# Altium PCB HYDRA_V2.1_POWER.PcbDoc (part 2 of 2)
Units mm, origin at the board's own origin, x right, y up, seen from the top; angles counter-clockwise.
Board outline 50 x 45 mm, 4 copper layers (Top Layer, PWR, GND, Bottom Layer), stack 0.603 mm thick; 102 components, 56 nets, 431 pads, 128 vias.
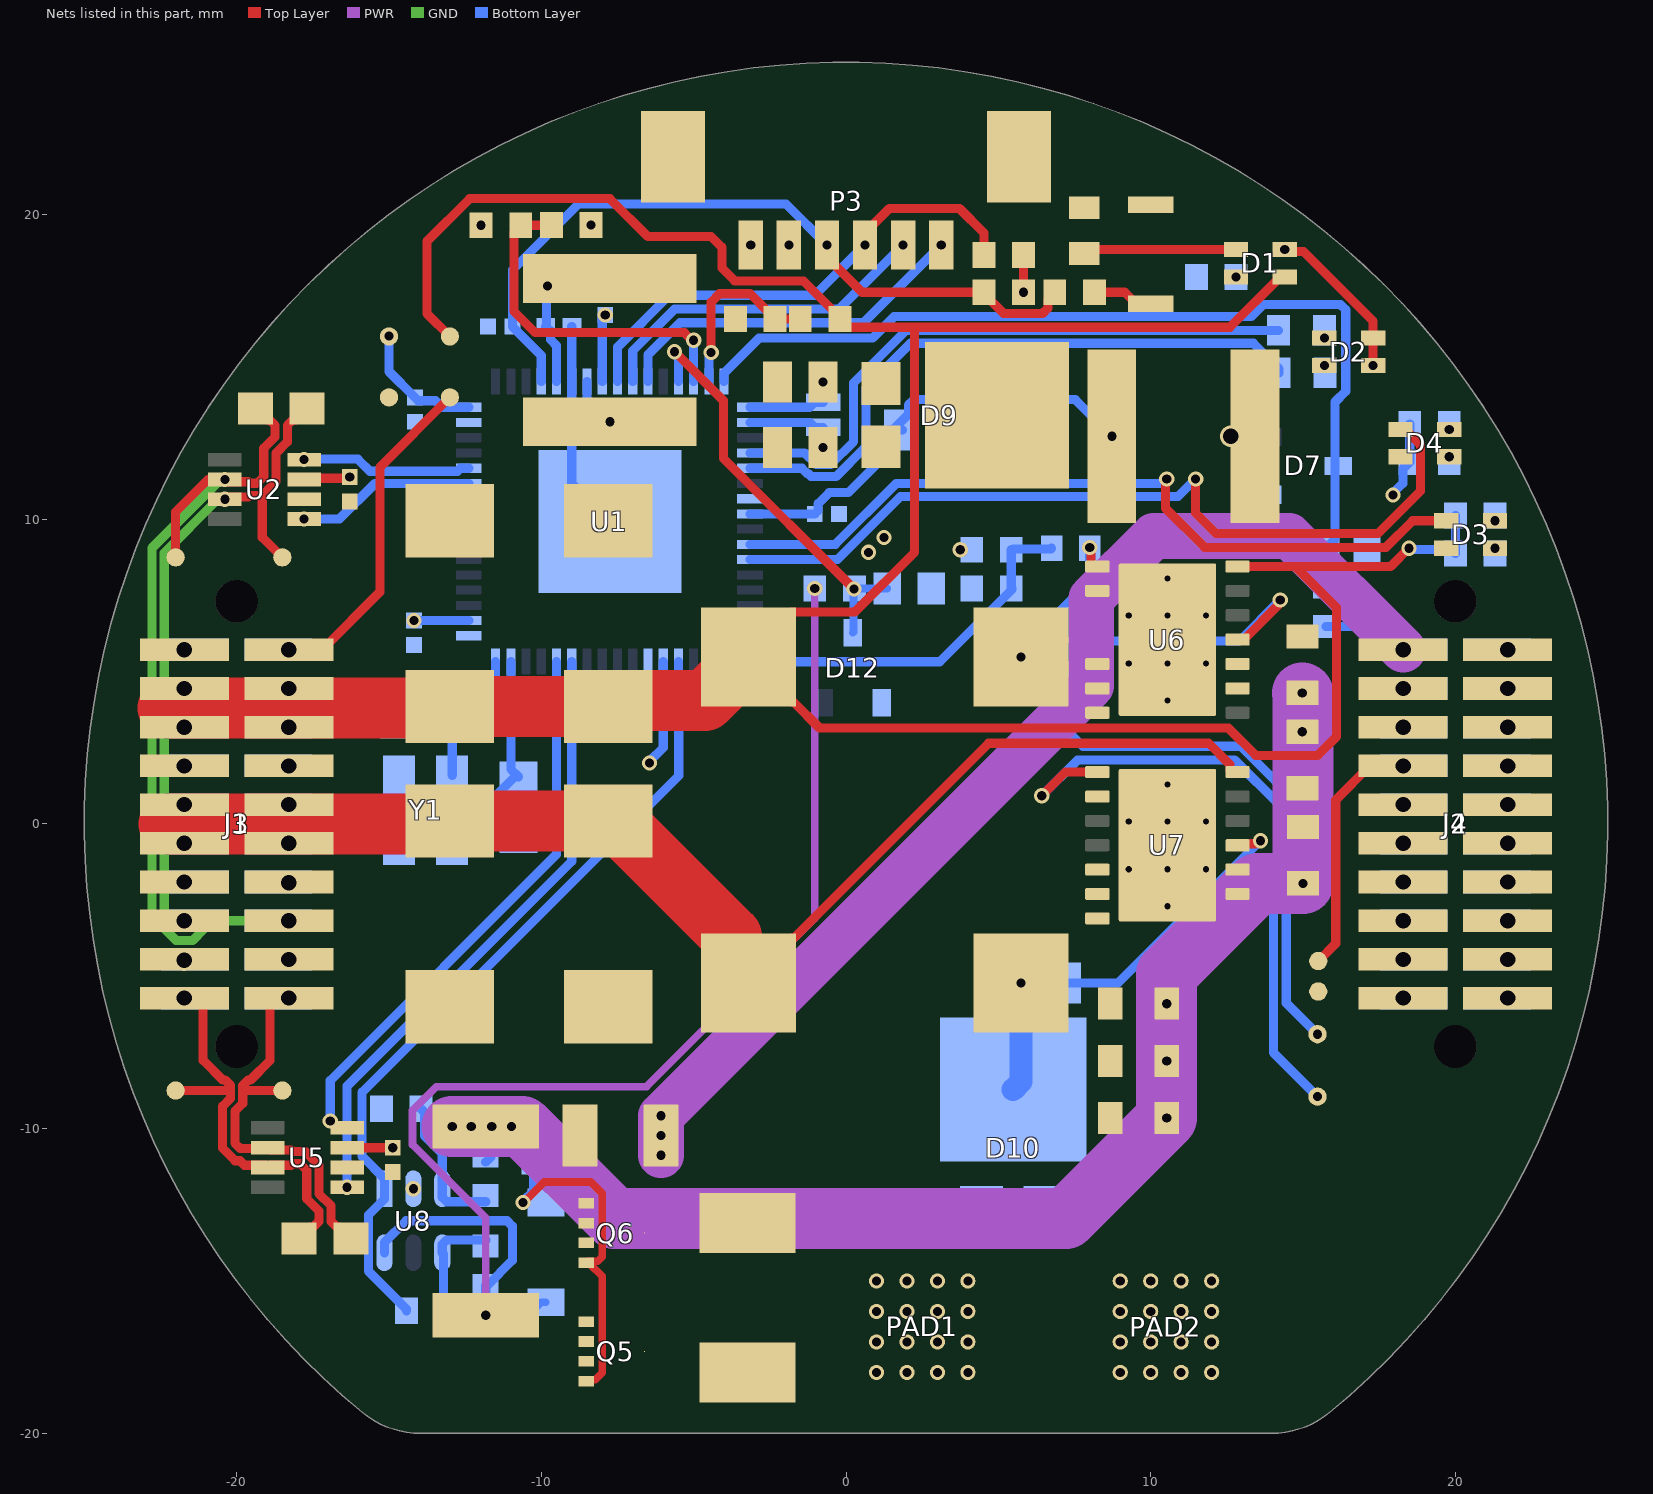
[diagram p4: the nets of this part, all layers, seen from the top]

## Part data (continued)
R2 R7: library part CMP-2000-00213-2, "Chip Resistor, 120 Ohm, +/- 1%, 0.1 W, -55 to 155 degC, 0603 (1608 Metric), RoHS, Tape and Reel", Case Code (Imperial)=0603, Case Code (Metric)=1608, Manufacturer=Panasonic, Max Operating Temperature=155degC, Max Power Dissipation=100mW, Min Operating Temperature=-55degC, Package Description="2-Pin Surface Mount Device, Body 1.6 x 0.85 mm", Package Quantity=1, Resistance=120Ohm, Temperature Coefficient=100ppm/degreesC, Tolerance=1%, Voltage Rating=75V, Case/Package=0603, Composition=ThickFilm, Contact Plating=Tin, Datasheet URL=https://industrial.panasonic.com/cdbs/www-data/pdf/RDA0000/AOA0000C283.pdf, Datasheet Version=42095.0, Depth=0.8mm, Height=0.022inch, Lead Free=LeadFree, Length=1.6mm, Manufacturer URL=http://www.panasonic.com/, Military Standard=Not, Mount=SurfaceMount, Number of Pins=2, Number of Terminations=2, Package Reference=0603, Package URL=http://www.st.com/st-web-ui/static/active/en/resource/technical/document/datasheet/CD00001320.pdf, Packaging=TapeandReel, Power Rating=100mW, Radiation Hardening=No, REACH SVHC=NoSVHC, RoHSCompliant=true, Termination=SMD/SMT, Voltage Rating (DC)=75V, Width=0.031inch
R3 R5 R10: library part CMP-2000-03446-2, "RES Thick Film, 51Ω, 1%, 0.1W, 100ppm/°C, 0603", Case Code (Imperial)=0603, Case Code (Metric)=1608, Max Operating Temperature=155°C, Max Power Dissipation=100mW, Min Operating Temperature=-55°C, Package Quantity=10, Resistance=51R, Temperature Coefficient=100ppm/°C, Tolerance=1%, Voltage Rating=75V, Case/Package=0603, Composition="Thick Film", Contact Plating=Tin, Depth=0.85mm, Features="Automotive AEC-Q200", Height=0.45mm, Lead Free="Lead Free", Length=1.55mm, Military Standard=Not, Number of Pins=2, Number of Terminations=2, Packaging="Tape and Reel", Power Rating=100mW, Radiation Hardening=No, Termination=SMD/SMT, Voltage Rating (DC)=75V, Weight=7.1E-05oz, Width=0.85mm, Working Voltage=75V
R4 R8 R18 R19 R23 R24: library part CMP-2000-00435-2, "Chip Resistor, 330 Ohm, +/- 1%, 0.1 W, -55 to 155 degC, 0603 (1608 Metric), RoHS, Tape and Reel", Current Rating="500 mA", Max Operating Temperature="85 degC", Min Operating Temperature="-25 degC", Package Quantity=1500, Voltage Rating="10 V", ComponentLink1Description="Manufacturer URL", ComponentLink1URL=http://www.panasonic.com/, ComponentLink2Description=Datasheet, ComponentLink2URL=http://industrial.panasonic.com/cdbs/www-data/pdf/RDA0000/AOA0000C86.pdf, Contact Finish=Gold, Contact Material=Copper, Contact Plating=Gold, DatasheetVersion=Apr-15, Gender=Male, Height="1.45 mm", Lead Pitch="1.1 mm", Length="13.7 mm", Mating Cycles=10000, Mount="Surface Mount", PackageDescription="2-Pin Surface Mount Device, Body 1.6 x 0.85 mm", PackageReference=0603, Packaging="Tape and Reel", Pins=8, REACH SVHC="No SVHC", RoHSCompliant=true, Width="1.45 mm"
R25: library part CMP-2000-03183-1, Manufacturer="Vishay Dale", Part Number=CRCW06032K70JNEA
R28: library part CMP-009-00183-1, "Actually https://www.digikey.ca/en/products/detail/bourns-inc/CRE2512-FZ-R008E-3/4900057"
R31: library part CMP-2000-00317-1, Manufacturer=Panasonic, Part Number=ERJ-3EKF2001V
R32 R35: library part CMP-1012-00849-3, "RES SMD 1M OHM 1% 1/10W 0603", Case Code (Imperial)=0603, Case Code (Metric)=1608, Max Operating Temperature=155°C, Max Power Dissipation=100mW, Min Operating Temperature=-55°C, Package Quantity=1, Resistance=1MR, Resistance Tolerance=1%, Resistor Type="Thick Film", Temperature Coefficient=100ppm/°C, Voltage Rating=75V, Case/Package=0603, Construction=Rectangular, Contact Plating=Tin, Depth=0.8mm, Features="Automotive AEC-Q200", Height=0.022inch, Lead Free="Lead Free", Length=1.6mm, Military Standard=Not, Mount="Surface Mount", Number of Pins=2, Number of Terminations=2, Packaging="Tape and Reel", Power Rating=100mW, Radiation Hardening=No, REACH SVHC="No SVHC", RoHS Compliant=Yes, Series=ERJ, Size Code=0603, Termination=SMD/SMT, Tolerance=1%, Voltage Rating (DC)=75V, Width=0.8mm
R36: library part CMP-2000-00180-1, Manufacturer=Panasonic, Part Number=ERJ-3EKF1001V
SW1: library part CMP-10040-000029-1, "SWITCH TACTILE SPST-NO 0.02A 15V", Current Rating=5A, Flammability Rating="UL94 V-0", Insulation Color=Black, Max Operating Temperature=85°C, Min Operating Temperature=-40°C, Operating Force=240gf, Actuator Type=Standard, Connector Type=USB, Contact Plating=Gold, Gender=Receptacle, Illumination Type=Non-Illuminated, Mechanical Life=500000Cycles, Mount="Surface Mount", Number of Contacts=24, Number of Ports=1, Packaging="Tape and Reel", Switch Function=Off-Mom, Switch Travel=0.13mm, Termination=Solder, Throw Configuration=SPST
TP1 TP2 TP3 TP4 TP5 TP6 TP7 TP8 TP11 TP12 TP13 TP15: library part CMP-00028-00002-2, "0.6mm round", Pins=1
U1: library part CMP-016-00010-6, "Rudimentary symbol and footprint for the SAM E51 microcontroller"
U2 U5: library part CMP-04872-000178-1, "IC TRANSCEIVER 1/1 SOT23-8", Case/Package=SOT-23-8, Max Operating Temperature=125°C, Min Operating Temperature=-40°C, Data Rate=1Mbps, Lead Free="Lead Free", Mount="Surface Mount", Packaging="Tape and Reel", RoHS Compliant=Yes
U6: library part CMP-0069-01082-3, "SIMPLE SWITCHER® High Efficiency 5A Step-Down Voltage Regulator, 14-pin LLP, Pb-Free", Manufacturer="Texas Instruments", PackageTopMarking=NS*UZXYTT*S0003DB, PowerWise=N, ComponentLink1Description="Datasheet URL", ComponentLink1URL=http://www.ti.com/general/docs/lit/getliterature.tsp?genericPartNumber=LM2678&fileType=pdf, CompType=Switcher, PackageDescription="LLP, Plastic, Dual, 6 x 5 x 1mm Body, 14 Lead, 0.8mm Pitch, No Pullback", PackageReference=NHM0014A, PinCount=14, RoHS=Y
U7: library part CMP-0069-01078-3, "SIMPLE SWITCHER® High Efficiency 5A Step-Down Voltage Regulator, 14-pin LLP, Pb-Free", Manufacturer="Texas Instruments", PackageTopMarking=NS*UZXYTT*S0003CB, PowerWise=N, ComponentLink1Description="Datasheet URL", ComponentLink1URL=http://www.ti.com/general/docs/lit/getliterature.tsp?genericPartNumber=LM2678&fileType=pdf, CompType=Switcher, PackageDescription="LLP, Plastic, Dual, 6 x 5 x 1mm Body, 14 Lead, 0.8mm Pitch, No Pullback", PackageReference=NHM0014A, PinCount=14, RoHS=Y
U8: library part CMP-04896-000098-1, "40V, RAIL-TO-RAIL INPUT, PUSH-PU"
Y1: library part CMP-27762-011708-1, "Crystal 48MHz ±20ppm 18pF SMD-4 3.2mm x 2.5mm", Case/Package=CSMD, ESR (Equivalent Series Resistance)=35R, Frequency=48MHz, Frequency Stability=50ppm, Frequency Tolerance=20ppm, Load Capacitance=18pF, Max Operating Temperature=70°C, Min Operating Temperature=-20°C, Operating Frequency="48 MHz", Package Quantity=1000, Resistor Type=Ceramic, Depth=2.5mm, Height=0.031inch, Lead Free="Lead Free", Length=3.2mm, Mount="Surface Mount", Number of Pins=4, Packaging="Tape and Reel", Radiation Hardening=No, REACH SVHC="No SVHC", RoHS Compliant=Yes, Series=ABM8, Series Resistance=35R, Termination=SMD/SMT, Tolerance=20ppm, Width=0.098inch
Y2: library part CMP-40224-000006-1, "CRYSTAL 32.7680KHZ 12.5PF SMD", Frequency=32.768kHz, Load Capacitance=12.5pF, Manufacturer="ECS International", Package=ECX-1210, Temperature="-40°C to +85°C", Temperature Range High=+85°C, Temperature Range Low=-40°C, Tolerance=20ppm, Automotive=No, Category=Crys, ComponentLink2Description=Datasheet, ComponentLink2URL=https://ecsxtal.com/store/pdf/ECX-1210.pdf, Device Class L1="Passive Components", Device Class L2="Crystals / Oscillators", Device Class L3=Crystals, Digikey Description="CRYSTAL 32.7680KHZ 12.5PF SMD", Esr=90kΩ, Height=0.5mm, Lead Free=Yes, Manufacturer Part Number=ECS-.327-12.5-1210-TR, Octopart=https://octopart.com/ecs-.327-12.5-1210-tr-ecs+international-81221340, RoHS=TRUE, Series=ECX-1210

## Via types
v1: diameter 0.5, hole 0.3, Top Layer to Bottom Layer, 71 vias
v2: diameter 0.7, hole 0.5, Top Layer to Bottom Layer, 41 vias
v3: diameter 0.5, hole 0.2, Top Layer to Bottom Layer, 16 vias

## Nets (pads, with @x,y where several pads share a name; then routed paths per layer and width w, separated by ;. In a path a pad name is that pad's centre, name@x,y a point inside that pad or via, vN(x,y) a via of type N, cw(c..) or ccw(c..) an arc to the next point about the centre after c; other vN are vias at no path point)
3V3_FB: C1.1 C5.1 C7.1 C8.1 C12.2 C17.2 C23.2 C24.2 D1.3 D2.2 D2.3 J1.09 J1.10 J1.11 J1.12 J3.09 J3.10 J3.11 J3.12 L1.1 L4.2 P3.5 R1.2 R6.1 R23.1 R24.1 R26.2 R38.1 TP3.1 U1.21 U1.34 U1.48 U1.56 U2.3 U5.3 U7.7 | length 65.6
  Top Layer w0.3: U2.3@-17.786,11.307 -17.749,11.345 -16.324,11.345 v1(-16.286,11.382) ; U5.3@-16.375,-10.625 v1(-14.875,-10.625) ; L4.2@-3.195,-5.225 -3.195,-5.161 -1.783,-3.749 -1.72,-3.749 4.68,2.65 11.9,2.65 12.6,1.95 12.6,1.75 12.65,1.7 U7.7@12.85,1.7 ; v1(5.825,17.45) R1.2@5.825,18.675 ; v1(14.4,18.85) 14.55,18.85 14.618,18.782 15.018,18.782 17.3,16.5 v1(17.3,15.05)
  Top Layer w2: -22.225,0 C23.2@-13,0 ; C23.2@-13,0.1 C24.2@-7.8,0.1 -7.6,-0.1 -7.35,-0.1 -3.757,-3.693 -3.757,-4.663 L4.2@-3.195,-5.225
  Bottom Layer w0.3: v1(-15,16.013) -15,14.85 C5.1@-14.15,14 -14.04,13.89 -13.472,13.89 -13.257,13.675 U1.48@-12.382,13.675 ; v1(-14.175,6.675) U1.34@-12.382,6.675 ; U1.56@-8,14.525 -8,16.6 v1(-7.9,16.7) ; v1(-6.45,2) -6.45,2.054 -6,2.504 C8.1@-6,3.525 U1.21@-6,5.325 ; v1(17.95,10.8) 17.95,10.854 18.275,11.179 18.275,11.65 R23.1@18.5,11.875 R24.1@18.5,13.125
  other v1: 3.75,9 -1.875,19 -8.364,19.652
  other v2: -21.715,-0.635 -18.285,-0.633 -21.715,0.635 -18.285,0.635 12.625,12.725
3V3_SENSE: R26.1 R27.2 U1.62 | length 11.6
  Top Layer w0.3: R26.1@-9.65,19.65 R27.2@-10.675,19.65 -10.9,19.425 -10.9,19.199 -10.9,16.825 -10.2,16.125 -5.304,16.125 -5.054,15.875 v1(-5,15.875)
  Bottom Layer w0.3: U1.62@-5,14.525 v1(-5,15.875)
5V_FB: C19.2 C22.2 D1.2 J1.03 J1.04 J1.05 J1.06 J3.03 J3.04 J3.05 J3.06 L3.2 R18.1 R19.1 R20.2 TP1.1 U6.7 | length 104.8
  Top Layer w0.3: TP1.1@-13,16 -13.75,16.75 -13.75,19.125 -12.35,20.525 -7.75,20.525 -6.5,19.275 -4.425,19.275 -4.075,18.925 -4.075,18.25 -3.65,17.825 -1.4,17.825 -0.2,16.625 -0.2,16.525 0.025,16.3 2.25,16.3 ; U6.7@12.85,8.45 14.75,8.45 ; D1.2@14.4,17.95 14.25,17.95 12.6,16.3 2.25,16.3 ; v1(18.475,9.05) 17.875,8.45 14.75,8.45 ; 2.25,16.3 2.25,8.922 0.278,6.951 -1.783,6.951 -3.195,5.539 L3.2@-3.195,5.475 -3.195,5.412 -1.783,3.999 -1.72,3.999 -0.87,3.15 12.55,3.15 13.45,2.25 15.481,2.25 16.1,2.869 16.1,7.1 14.75,8.45
  Top Layer w2: -22.25,3.8 C19.2@-13,3.8 ; C19.2@-13,3.85 C22.2@-7.8,3.85 -7.6,4.05 -4.62,4.05 -3.821,4.85 -3.757,4.85 L3.2@-3.195,5.412
  Bottom Layer w0.3: v1(18.475,9.05) 18.513,9.012 19.863,9.012 R18.1@20,8.875 R19.1@20,10.125
  other v2: -21.715,3.175 -18.285,3.175 -21.715,4.445 -18.285,4.445
5V_ON_nOFF: R36.1 TP11.1 U6.8 | length 24.3
  Top Layer w0.3: v1(8,9.075) 8.038,9.037 8.038,8.5 8.088,8.45 U6.8@8.25,8.45
  Bottom Layer w0.3: v1(8,9.075) 8,7.967 6.519,6.485 6.519,3.806 7.775,2.55 12.95,2.55 14.677,0.823 14.677,-1.154 14.45,-1.38 14.45,-5.875 v1(15.475,-6.9)
5V_SENSE: R20.1 R22.2 U1.63 | length 6
  Top Layer w0.3: v1(-4.425,15.475) -4.425,17.125 -4.15,17.4 -3.149,17.4 -2.599,16.85 -2.55,16.85 -2.325,16.625 R22.2@-2.325,16.575 R20.1@-1.5,16.575
  Bottom Layer w0.3: U1.63@-4.5,14.525 -4.5,15.346 -4.425,15.421 v1(-4.425,15.475)
CAN0_R_N: J1.16 J3.16 R2.1 TP7.1 U2.6 | length 27.9
  Top Layer w0.3: TP7.1@-22,8.75 -22,10.243 -20.936,11.307 v1(-20.386,11.307) -20.311,11.232 -19.62,11.232 -19.571,11.183 -19.323,11.183 -19.111,11.395 -19.111,12.331 -18.737,12.705 -18.737,13.081 -18.913,13.257 -19.011,13.257 R2.1@-19.386,13.632
  GND w0.3: v1(-20.386,11.307) -20.44,11.307 -20.54,11.207 -20.628,11.207 -22.777,9.058 -22.777,-3.033 -21.984,-3.825 -21.446,-3.825 -21.065,-3.444 -21.065,-3.351 -20.889,-3.175 v2@-18.635,-3.175
  other v2: -18.285,-3.175
CAN0_R_P: J1.15 J3.15 R2.2 TP5.1 U2.7 | length 22.4
  Top Layer w0.3: v1(-20.386,10.657) -20.311,10.732 -19.62,10.732 -19.571,10.781 -19.156,10.781 ; TP5.1@-18.5,8.75 -19.156,9.406 -19.156,10.781 ; R2.2@-17.686,13.632 -18.061,13.257 -18.16,13.257 -18.335,13.081 -18.335,12.539 -18.709,12.165 -18.709,11.229 -19.156,10.781
  GND w0.3: v2(-21.715,-3.175) -21.792,-3.098 -22.143,-3.098 -22.375,-2.866 -22.375,8.892 -20.648,10.619 -20.424,10.619 v1(-20.386,10.657)
CAN0_RX: U1.44 U2.4 | length 5.7
  Bottom Layer w0.3: v1@-17.879,11.975 -16.02,11.975 -15.621,11.577 -12.755,11.577 -12.657,11.675 U1.44@-12.382,11.675
  other v1: -17.786,11.957
CAN0_TX: U1.43 U2.1 | length 5.9
  Bottom Layer w0.3: v1(-17.786,10.007) -16.626,10.007 -15.458,11.175 U1.43@-12.382,11.175
CAN1_R_N: J1.20 J3.20 R7.1 TP8.1 U5.6 | length 13.1
  Top Layer w0.3: TP8.1@-18.5,-8.75 -19.63,-8.75 -19.799,-8.581 ; v2(-18.285,-5.715) -18.68,-5.715 -18.9,-5.935 -18.9,-7.761 -19.544,-8.405 -19.623,-8.405 -19.799,-8.581 ; R7.1@-16.25,-13.6 -16.625,-13.225 -16.723,-13.225 -16.899,-13.049 -16.899,-12.532 -17.298,-12.133 -17.298,-11.197 -17.745,-10.749 -18.16,-10.749 -18.209,-10.7 -18.9,-10.7 U5.6@-18.975,-10.625 -19,-10.65 -19.882,-10.65 -20.057,-10.474 -20.057,-9.43 -19.799,-9.171 -19.799,-8.581
CAN1_R_P: J1.19 J3.19 R7.2 TP6.1 U5.7 | length 13.6
  Top Layer w0.3: TP6.1@-22,-8.75 -20.244,-8.75 -20.201,-8.793 ; v2(-21.715,-5.715) -21.32,-5.715 -21.1,-5.935 -21.1,-7.761 -20.456,-8.405 -20.377,-8.405 -20.201,-8.581 -20.201,-8.793 ; R7.2@-17.95,-13.6 -17.575,-13.225 -17.477,-13.225 -17.301,-13.049 -17.301,-12.698 -17.699,-12.299 -17.699,-11.363 -17.912,-11.151 -18.16,-11.151 -18.209,-11.2 -18.9,-11.2 U5.7@-18.975,-11.275 -19.05,-11.2 -19.741,-11.2 -19.889,-11.052 -20.048,-11.052 -20.459,-10.641 -20.459,-9.263 -20.201,-9.005 -20.201,-8.793
CAN1_RX: U1.28 U5.4 | length 18.2
  Bottom Layer w0.3: v1(-16.925,-9.75) -16.925,-8.425 -9.5,-1 U1.28@-9.5,5.325
CAN1_TX: U1.27 U5.1 | length 20.3
  Bottom Layer w0.3: v1(-16.375,-11.925) -16.375,-8.6 -9,-1.225 U1.27@-9,5.325
G_LED: R3.2 U1.4 | length 20.5
  Bottom Layer w0.3: U1.4@-3.15,12.175 -1.353,12.175 -0.978,11.8 -0.5,11.8 0.25,12.55 0.25,14.475 1.975,16.2 R3.2@14.2,16.2
GND: C1.2 C2.1 C3.2 C4.2 C5.2 C6.2 C7.2 C8.2 C9.1 C10.1 C11.2 C12.1 C13.2 C14.2 C17.1 C19.1 C20.2 C21.2 C22.1 C23.1 C24.1 C26.2 C27.2 C28.2 C29.2 D3.1 D4.1 D7.1 D9.1 D9.2 D10.1 D10.2 D12.1 J1.07 J1.08 J1.13 J1.14 J1.17 J1.18 J2.09 J2.10 J2.11 J2.12 J2.13 J2.14 J2.15 J2.16 J2.17 J2.18 J2.19 J2.20 J3.07 J3.08 J3.13 J3.14 J3.17 J3.18 J4.09 J4.10 J4.11 J4.12 J4.13 J4.14 J4.15 J4.16 J4.17 J4.18 J4.19 J4.20 P3.6 P3.S1 P3.S2 PAD2.1 R8.2 R10.2 R22.1 R25.1 R27.1 R30.2 R31.1 R35.1 R37.1 SW1.2 TP4.1 TP13.1 U1.7 U1.22 U1.33 U1.47 U1.54 U1.65 U2.2 U5.2 U6.9 U6.15 U7.9 U7.15 U8.2 Y1.2 Y1.4 | length 6.9
  Bottom Layer w0.3: C2.1@-8.996,16.325 -9,16.321 U1.54@-9,14.525 -9,11.175 U1.65@-7.75,9.925
  other v1: -14.2,-11.975 0.736,8.914 1.25,9.4 -3.125,19 -11.975,19.65
  other v2: 18.285,-5.715 21.715,-5.715 -21.715,-4.475 -18.285,-4.445 18.285,-4.445 21.715,-4.445 18.285,-3.175 21.715,-3.175 -18.285,-1.933 -21.715,-1.905 18.285,-1.905 21.715,-1.905 18.285,-0.635 21.715,-0.635 18.285,0.635 21.715,0.635 -21.715,1.905 -18.285,1.905
  other v3: 10.55,-2.7 9.28,-1.487 10.55,-1.487 11.82,-1.487 9.28,0.087 10.55,0.087 11.82,0.087 10.55,1.3 10.55,4.05 9.28,5.263 10.55,5.263 11.82,5.263 9.28,6.837 10.55,6.837 11.82,6.837 10.55,8.05
I_SENSE: R32.2 U1.20 U8.1 | length 26.6
  Bottom Layer w0.3: R32.2@-14.426,-15.975 -14.426,-15.922 -15.675,-14.673 -15.675,-12.837 -15.15,-12.312 U8.1@-15.15,-11.975 -15.15,-11.637 -15.881,-10.906 -15.881,-8.806 -5.488,1.587 -5.488,3.038 -5.488,3.889 -5.5,3.901 U1.20@-5.5,5.325
MCU_3V3_LED: D4.4 U1.11 | length 27.5
  Top Layer w0.3: v1(11.475,11.325) 11.475,10.2 12.148,9.527 17.454,9.527 18.852,10.924 18.852,12.448 18.35,12.95 D4.4@18.2,12.95
  Bottom Layer w0.3: U1.11@-3.15,8.675 -0.281,8.675 1.794,10.75 10.9,10.75 v1(11.475,11.325)
MCU_5V_LED: D3.4 U1.10 | length 25.7
  Top Layer w0.3: v1(10.525,11.325) 10.487,11.287 10.487,10.363 11.775,9.075 17.722,9.075 18.597,9.95 D3.4@19.7,9.95
  Bottom Layer w0.3: U1.10@-3.15,9.175 -0.349,9.175 1.651,11.175 10.321,11.175 10.471,11.325 v1(10.525,11.325)
NetC2_2: C2.2 C3.1 L2.2 U1.53 | length 3.1
  Bottom Layer w0.3: C2.2@-9.854,16.325 -9.827,16.352 -9.827,17.623 v1(-9.8,17.65) ; C2.2@-9.696,16.189 -9.696,15.896 -9.5,15.7 U1.53@-9.5,14.525
NetC18_1: C18.1 U6.4 | length 9.9
  Top Layer w0.3: U6.4@12.85,6.05 13.05,6.05 14.212,7.212 14.212,7.312 v1(14.25,7.35)
  Bottom Layer w0.3: C18.1@7.246,5.475 7.246,5.675 7.571,6 12.9,6 v1(14.25,7.35)
NetC18_2: C18.2 D9.3 L3.1 U6.12 U6.13 U6.14
  other v1: 5.746,5.475
NetC25_1: C25.1 U7.4 | length 9.1
  Top Layer w0.3: U7.4@12.85,-0.7 12.9,-0.65 13.446,-0.65 13.546,-0.55 v1(13.6,-0.55)
  Bottom Layer w0.3: C25.1@7.246,-5.225 8.925,-5.225 v1(13.6,-0.55)
NetC25_2: C25.2 D10.3 L4.1 U7.12 U7.13 U7.14 | length 3.6
  Bottom Layer w0.75: D10.3@5.485,-8.72 5.746,-8.459 v1(5.746,-5.225)
NetD1_1: D1.1 R8.1
  other v1: 12.8,17.95
NetD1_4: D1.4 R10.1 | length 5.1
  Top Layer w0.3: R10.1@7.825,18.65 8.025,18.85 D1.4@12.8,18.85
NetD2_1: D2.1 R5.1
  other v1: 15.7,15.05
NetD2_4: D2.4 R3.1
  other v1: 15.7,15.95
NetD3_2: D3.2 R18.2
  other v1: 21.3,9.05
NetD3_3: D3.3 R19.2
  other v1: 21.3,9.95
NetD4_2: D4.2 R23.2
  other v1: 19.8,12.05
NetD4_3: D4.3 R24.2
  other v1: 19.8,12.95
NetF2_1: F2.1 PAD1.1
NetF2_2: F2.2 Q5.5-6-7-8 Q6.5-6-7-8
NetL2_1: L2.1 U1.55 | length 1.6
  Bottom Layer w0.3: U1.55@-8.5,14.525 -8.5,13.95 v1(-7.75,13.2)
NetR4_2: R4.2 SW1.1 | length 2
  Top Layer w0.3: R4.2@8.15,17.45 9.15,17.45 9.525,17.075 SW1.1@10,17.075
NetR32_1: R32.1 R33.2 U8.4 | length 3.7
  Bottom Layer w0.3: R32.1@-13.124,-15.975 -13.206,-15.893 -13.206,-14.119 U8.4@-13.25,-14.075 -13.25,-13.8 -13.1,-13.65 R33.2@-11.825,-13.65
NetR34_2: R34.2 R35.2 U8.3 | length 4.7
  Bottom Layer w0.3: R35.2@-13.949,-9.35 -13.835,-9.464 -13.835,-10.231 -13.25,-10.816 U8.3@-13.25,-11.975 -13.25,-12.25 -13.1,-12.4 R34.2@-11.825,-12.4
NetR36_2: R36.2 R37.2 R38.2 U1.17 | length 13
  Bottom Layer w0.3: U1.17@-4,5.325 3.075,5.325 5.45,7.7 R37.2@5.45,7.75 ; R37.2@5.425,7.75 R38.2@5.425,9 ; R38.2@5.5,9.025 6.725,9.025 R36.2@6.75,9.05
NetTP15_1: TP15.1 U7.8 | length 21.3
  Top Layer w0.3: v1(6.425,0.925) 7.2,1.7 U7.8@8.25,1.7
  Bottom Layer w0.3: v1(6.425,0.925) 7.6,2.1 12.75,2.1 14.275,0.575 14.275,-0.987 14.025,-1.237 14.025,-7.5 v1(15.475,-8.95)
POST_SHUNT: C20.1 C21.1 C26.1 C27.1 C28.1 C29.1 F1.1 R28.2 R34.1 U6.2 U6.3 U7.2 U7.3 | length 44
  PWR w2: v1(-12.925,-9.925) v1(-10.975,-9.925) -10.625,-9.925 -7.6,-12.95 7.225,-12.95 v1(10.525,-9.65) v1(10.525,-7.775) 10.525,-4.925 13.5,-1.95 v1(15,-1.95) 15,4.275 v1(14.975,4.3)
  Bottom Layer w0.3: R34.1@-11.825,-11.1 -11.65,-10.925 -11.65,-9.95 v1(-11.625,-9.925)
  other v1: -12.3,-9.925 10.525,-5.9 14.975,3.025
PRE_SHUNT: D11.1 Q5.1 Q5.2 Q5.3 Q6.1 Q6.2 Q6.3 R28.1 R29.1 R33.1 U8.6 | length 44.7
  PWR w0.254: v1(-11.825,-16.125) -11.825,-12.925 -14.225,-10.525 -14.225,-9.4 -13.45,-8.625 -6.55,-8.625 -1.025,-3.1 v1(-1.025,7.725)
  Bottom Layer w0.254: v1(-11.825,-16.125) -10.435,-16.125 -10.005,-15.695 D11.1@-9.85,-15.695
  Bottom Layer w0.3: U8.6@-15.15,-14.075 -15.15,-13.738 -14.437,-13.025 -11.126,-13.025 -10.951,-13.201 -10.951,-14.326 R33.1@-11.775,-15.15 ; v1(-11.825,-16.125) R33.1@-11.825,-15.15
PYRO_PWR: F1.2 J2.01 J2.02 J2.03 J2.04 J2.05 J2.06 J2.07 J2.08 J4.01 J4.02 J4.03 J4.04 J4.05 J4.06 J4.07 J4.08 R21.2 TP12.1 | length 47.8
  Top Layer w0.3: TP12.1@15.5,-4.5 16.075,-3.925 16.075,0.785 17.195,1.905 v2(18.285,1.905)
  PWR w1.5: v1(-6.075,-10.875) -6.075,-9.583 v1(-6.067,-9.575) 8.05,4.541 8.05,7.4 10.1,9.45 14.55,9.45 v2(18.285,5.715)
  Bottom Layer w0.3: R21.2@15.75,6.475 17.135,6.475 17.675,5.935 17.895,5.715 v2(18.285,5.715)
  other v1: -6.075,-10.229
  other v2: 21.715,1.905 18.285,3.175 21.715,3.175 18.285,4.445 21.715,4.445 21.715,5.715
PYRO_PWR_SENSE: D7.3 R21.1 R25.2 U1.64 | length 31
  Bottom Layer w0.3: U1.64@-4,14.525 -4,14.8 -2.85,15.95 0.875,15.95 1.575,16.65 13.3,16.65 13.7,17.05 16.224,17.05 16.4,16.874 16.4,14.2 16.05,13.85 16.05,9.35 R25.2@15.75,9.05 R21.1@15.75,7.775
R_LED: R5.2 U1.5 | length 20.9
  Bottom Layer w0.3: U1.5@-3.15,11.675 -1.45,11.675 -1.275,11.5 -1.246,11.5 -1.144,11.398 -0.327,11.398 0.6,12.325 0.6,12.332 0.652,12.384 0.652,14.309 2.118,15.775 13.371,15.775 14.216,14.93 R5.2@14.216,14.805
RESETN: C11.1 P3.4 R4.1 R6.2 U1.52 | length 24.9
  Top Layer w0.3: v1(-0.625,19) -0.625,18.6 0.525,17.45 4.475,17.45 5.173,16.752 6.449,16.752 6.625,16.927 6.625,17.225 R4.1@6.85,17.45
  Bottom Layer w0.3: U1.52@-10,14.525 -10,15.375 C11.1@-10.95,16.325 -10.95,18.175 -8.775,20.35 -1.975,20.35 v1(-0.625,19)
RP_MOS_LINK: D11.2 Q5.4 Q6.4 R30.1 | length 11.5
  Top Layer w0.254: v1(-10.6,-12.425) -10.575,-12.425 -9.9,-11.75 -8.377,-11.75 -8,-12.127 -8,-14.203 -8.149,-14.352 Q6.4@-8.477,-14.352 ; Q5.4@-8.525,-18.287 -8.477,-18.239 -8.227,-18.239 -8,-18.012 -8,-14.85 Q6.4@-8.402,-14.448
  Bottom Layer w0.254: v1(-10.6,-12.425) -10.6,-12.358 -10.275,-12.033 R30.1@-10.275,-11.075
SWCLK: P3.3 R1.1 U1.57 | length 16.3
  Top Layer w0.3: v1(0.625,19) 0.625,19.4 1.425,20.2 3.725,20.2 4.525,19.4 R1.1@4.525,18.675
  Bottom Layer w0.3: U1.57@-7.5,14.525 -7.5,15.65 -5.8,17.35 -1.025,17.35 v1(0.625,19)
SWDIO: P3.2 U1.58 | length 11.3
  Bottom Layer w0.3: U1.58@-7,14.525 -7,15.525 -5.625,16.9 -0.225,16.9 v1(1.875,19)
SWO: P3.1 U1.59 | length 12
  Bottom Layer w0.3: U1.59@-6.5,14.525 -6.5,15.399 -5.449,16.45 0.575,16.45 v1(3.125,19)
V_SENSE: D12.3 R29.2 R31.2 U1.61 | length 13.8
  Top Layer w0.3: v1(-5.625,15.496) -4.025,13.896 -4.025,12 v1(0.263,7.713)
  Bottom Layer w0.254: D12.3@0.225,6.275 0.25,6.3 0.25,7.7 v1(0.263,7.713) R29.2@0.275,7.725 R31.2@1.35,7.725
  Bottom Layer w0.3: v1(-5.625,15.496) -5.5,15.371 U1.61@-5.5,14.525
VCC: J1.01 J1.02 J3.01 J3.02 TP2.1 | length 11.5
  Top Layer w0.3: v2(-18.285,5.715) -17.195,5.715 -15.295,7.615 -15.295,11.705 TP2.1@-13,14
  Bottom Layer w0.3: v2(-18.285,5.715) J1.02@-17.895,5.715
  other v2: -21.715,5.715
VDD_ANA: C4.1 C6.1 L1.2 U1.8 | length 14.8
  Bottom Layer w0.3: U1.8@-3.15,10.175 C6.1@-1.025,10.175 -0.915,10.285 -0.915,10.51 -0.55,10.875 0.075,10.875 1.4,12.2 1.4,12.925 1.525,12.925 2.05,13.45 2.05,13.749 2.226,13.925 7.525,13.925 v1(8.725,12.725) ; C4.1@1.725,12.925 C4.1@1.85,12.925
X_IN: C9.2 U1.31 Y1.3 | length 8.8
  Bottom Layer w0.3: Y1.3@-14.675,-0.7 -14.675,-0.575 -13.65,0.45 -11.975,0.45 -10.875,1.55 C9.2@-10.75,1.55 -11,1.8 U1.31@-11,5.325
X_OUT: C10.2 U1.32 Y1.1 | length 4.3
  Bottom Layer w0.3: Y1.1@-12.925,1.6 -12.925,3.3 C10.2@-12.8,3.425 -12.8,3.55 -11.5,4.85 U1.32@-11.5,5.325
XIN_32: C13.1 U1.1 Y2.1 | length 3.1
  Bottom Layer w0.3: U1.1@-3.15,13.675 -1.195,13.675 -1.032,13.838 Y2.1@-0.75,13.838 v1(-0.75,14.5)
XOUT_32: C14.1 U1.2 Y2.2 | length 3.1
  Bottom Layer w0.3: U1.2@-3.15,13.175 -1.195,13.175 -1.032,13.012 Y2.2@-0.75,13.012 v1(-0.75,12.35)
pads on no net: D7.2 D12.2 J1. J2. J3. J4. U1.3 U1.6 U1.9 U1.12 U1.13 U1.14 U1.15 U1.16 U1.18 U1.19 U1.23 U1.24 U1.25 U1.26 U1.29 U1.30 U1.35 U1.36 U1.37 U1.38 U1.39 U1.40 U1.41 U1.42 U1.45 U1.46 U1.49 U1.50 U1.51 U1.60 U2.5 U2.8 U5.5 U5.8 U6.1 U6.5 U6.6 U6.10 U6.11 U7.1 U7.5 U7.6 U7.10 U7.11 U8.5

## Polygon pours and split planes (outlines as drawn)
GND on Top Layer "GND_L01_P029" (solid, pour order 29): -15.806,-19.201 ccw(c-13.96,-17) -13.96,-19.873 13.96,-19.873 ccw(c13.96,-17) 15.806,-19.201 cw(c15.888,-19.298) 15.949,-19.186 ccw(c0,0) 24.95,0 ccw(c0,0) -15.949,-19.186 cw(c-15.888,-19.298)
NetC18_2 on Top Layer "NETC18_2_L01_P028" (solid, pour order 28): 4.183,3.849 4.183,9.427 2.595,11.015 2.595,15.815 7.315,15.815 7.315,7.108 7.308,7.101 7.308,3.849
PRE_SHUNT on Top Layer "PRE_SHUNT_L01_P025" (solid, pour order 25): -8.275,-17.813 -8.275,-16.163 -8.775,-16.163 -9,-15.938 -9,-14.15 -8.775,-13.925 -8.275,-13.925 -8.275,-12.275 -8.775,-12.275 -13.575,-15.4 -13.575,-16.85 -8.775,-17.813
POST_SHUNT on Top Layer "POST_SHUNT_L01_P027" (solid, pour order 27): 12.5,5.45 13.2,5.45 15.5,4.7 15.5,2.625 14.45,2.625 13.2,4.25 12.5,4.25 12.45,4.3 12.45,5.4
POST_SHUNT on Top Layer "POST_SHUNT_L01_P026" (solid, pour order 26): -13.575,-9.2 -8.162,-9.209 -8.162,-11.241 -9.305,-11.241 -13.575,-10.65
NetF2_2 on Top Layer "NETF2_2_L01_P024" (solid, pour order 24): -4.8,-14.075 -1.65,-14.075 -1.65,-12.115 -7.67,-12.115 -7.755,-12.2 -7.755,-18.537 -5.525,-18.537 -5.475,-18.487
NetF2_1 on Top Layer "NETF2_1_L01_P023" (solid, pour order 23): 5,-19 5,-14 0,-14 -4.8,-17.025 -4.8,-18.985
POST_SHUNT on Top Layer "POST_SHUNT_L01_P021" (solid, pour order 21): 12.45,-1.35 12.5,-1.3 13.2,-1.3 14.475,-1.55 15.525,-1.55 15.525,-2.35 14.475,-2.35 13.2,-2.5 12.5,-2.5 12.45,-2.45
NetC18_2 on Top Layer "NETC18_2_L01_P019" (solid, pour order 19): 4.183,7.101 7.308,7.101 7.308,6.358 7.9,5.45 8.6,5.45 8.65,5.4 8.65,3.5 8.6,3.45 7.9,3.45 4.183,3.849
NetC25_2 on Top Layer "NETC25_2_L01_P017" (solid, pour order 17): 8.6,-3.3 8.65,-3.25 8.65,-1.35 8.6,-1.3 7.9,-1.3 4.183,-3.599 4.183,-6.85 7.308,-6.85
3V3_FB on PWR "3V3_FB_L02_P012" (solid, pour order 12): -15.806,-19.201 ccw(c-13.96,-17) -13.96,-19.873 13.96,-19.873 ccw(c13.96,-17) 15.806,-19.201 cw(c15.888,-19.298) 15.949,-19.186 ccw(c0,0) 24.95,0 ccw(c0,0) -15.949,-19.186 cw(c-15.888,-19.298)
PYRO_PWR on PWR "PYRO_PWR_L02_P011" (solid, pour order 11): 16.825,6.085 23.175,6.085 23.175,1.535 16.825,1.535
3V3_FB on PWR "3V3_FB_L02_P010" (solid, pour order 10): -23.175,1.005 -16.825,1.005 -16.825,-1.005 -23.175,-1.005
5V_FB on PWR "5V_FB_L02_P009" (solid, pour order 9): -23.175,4.815 -16.825,4.815 -16.825,2.805 -23.175,2.805
VCC on PWR "VCC_L02_P008" (solid, pour order 8): -23.175,6.085 -16.825,6.085 -16.825,5.345 -23.175,5.345
GND on GND "GND_L03_P015" (solid, pour order 15): -15.806,-19.201 ccw(c-13.96,-17) -13.96,-19.873 13.96,-19.873 ccw(c13.96,-17) 15.806,-19.201 cw(c15.888,-19.298) 15.949,-19.186 ccw(c0,0) 24.95,0 ccw(c0,0) -15.949,-19.186 cw(c-15.888,-19.298)
GND on Bottom Layer "GND_L04_P018" (solid, pour order 18): -15.806,-19.201 ccw(c-13.96,-17) -13.96,-19.873 13.96,-19.873 ccw(c13.96,-17) 15.806,-19.201 cw(c15.888,-19.298) 15.949,-19.186 ccw(c0,0) 24.95,0 ccw(c0,0) -15.949,-19.186 cw(c-15.888,-19.298)

## Silkscreen, mask and mechanical layers (free items; w line width, h text height)
Top Overlay:
  region: 980 vertices and 2 holes, not listed, extent 14.33,-15.265 19.53,-8.999
  text "DBG" at 7.15,23.149 h0.75 r270
  text "DBG" at -7.15,21.15 h0.75 r90
  text "RST" at 9.05,20.95 h0.75
  text "PWR" at 11.65,19.45 h0.75
  text "3V3" at -15.666,16.6 h0.5
  text "5V" at -13.417,16.6 h0.5
  text "MCU" at 15.15,16.55 h0.75
  text "GND" at -15.666,14.6 h0.5
  text "VCC" at -13.666,14.6 h0.5
  text "3V3" at 17.15,13.55 h0.75
  text "CAN_0" at -16.6,12.25 h0.75
  text "5V" at 19.15,10.55 h0.75
  text "C0_LO" at -21.425,8.542 h0.5
  text "C0_HI" at -17.875,8.541 h0.5
  text "PYRO" at 12.234,-4.75 h0.5
  text "GND" at 12.484,-5.75 h0.5
  text "5V ON/ / nOFF" at 11.575,-7.67 h0.5
  text "PYRO FUSE" at -11.975,-8.625 h0.75
  text "C1_HI" at -21.3,-9.017 h0.5
  text "C1_LO" at -17.75,-9.017 h0.5
  text "3V3 ON/ / nOFF" at 11.375,-9.47 h0.5
  text "HYDRA_V2.1_POWER" at 1.15,-11.975 h0.75
  text "MAIN FUSE" at -1.2,-12.375 h0.75 r270
  text "Designed on company time" at 1.1,-12.983 h0.5
  text "CAN_1" at -17.8,-15.675 h0.75
  text "VCC" at 5.45,-18.85 h0.75
  text "GND" at 13.45,-18.85 h0.75
Bottom Overlay:
  text "MCU" at -0.98,15.05 h0.75
  text "VCC" at 7.45,-18.85 h0.75
  text "GND" at 15.45,-18.85 h0.75
Mechanical 1:
  lines w0.1: -15.888,-19.298 ccw(c-13.96,-17) -13.96,-20 13.96,-20 ccw(c13.96,-17) 15.888,-19.298 15.868,-19.318 ccw(c0,0) -15.868,-19.318
  lines w0.254: -15.888,-19.298 ccw(c-13.96,-17) -13.96,-20 13.96,-20 ccw(c13.96,-17) 15.888,-19.298